# Altium PCB AirScout_PCBV1.1.PcbDoc (part 2 of 2)
Units mm, origin at the board's own origin, x right, y up, seen from the top; angles counter-clockwise.
Board outline 91.25 x 151 mm, 4 copper layers (Top Layer, Signal Layer 1, Signal Layer 2, Bottom Layer), stack 0.603 mm thick; 56 components, 39 nets, 237 pads, 463 vias.
Unrouted connection lines stored in the file: 26.
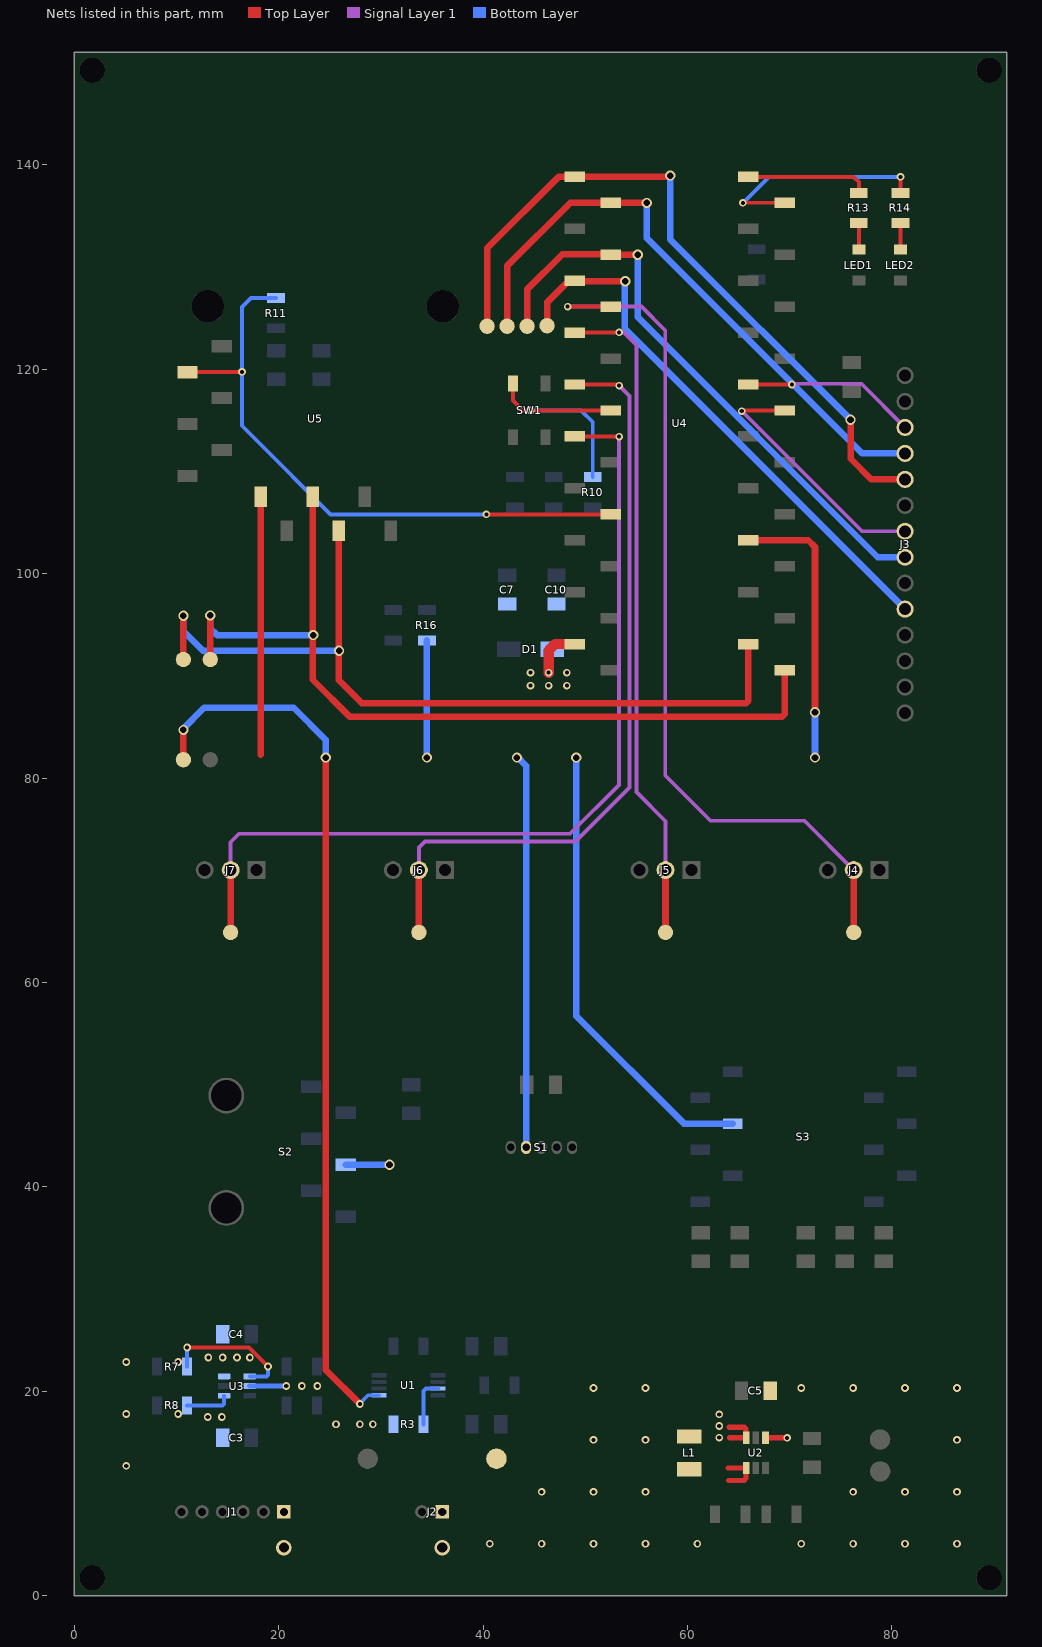
[diagram p4: the nets of this part, all layers, seen from the top]

## Via types
v1: diameter 0.75, hole 0.4, Signal Layer 1 to Bottom Layer, 166 vias
v2: diameter 0.75, hole 0.4, Top Layer to Signal Layer 2, 129 vias
v3: diameter 0.75, hole 0.4, Top Layer to Bottom Layer, 63 vias
v4: diameter 0.75, hole 0.4, Top Layer to Signal Layer 1, 39 vias
v5: diameter 0.75, hole 0.4, Signal Layer 2 to Bottom Layer, 34 vias
v6: diameter 1, hole 0.65, Top Layer to Bottom Layer, 23 vias
v7: diameter 1.5, hole 1, Top Layer to Bottom Layer, 7 vias
v8: diameter 1.5, hole 1, Top Layer to Bottom Layer, tented both sides, 1 vias
v9: diameter 1, hole 0.5, Top Layer to Bottom Layer, 1 vias

## Nets (pads, with @x,y where several pads share a name; then routed paths per layer and width w, separated by ;. In a path a pad name is that pad's centre, name@x,y a point inside that pad or via, vN(x,y) a via of type N, cw(c..) or ccw(c..) an arc to the next point about the centre after c; other vN are vias at no path point) (continued)
I2C/SDA: pad.M1@10.668,81.788 R16.2 S1.2 S2.4 S3.4 U1.5 U4.6 U5.12 | length 240
  Top Layer w0.65: pad.M1@10.668,81.788 v6(10.668,84.709) ; 18.248,82.305 U5.12@18.248,107.529 ; v6(24.59,81.994) 24.59,22.098 v3(27.94,18.748) ; U4.6@65.948,103.259 71.808,103.259 72.469,102.598 v6(72.469,86.439)
  Bottom Layer w0.381: v3@27.813,18.669 28.751,19.607 U1.5@29.807,19.607
  Bottom Layer w0.65: v6@10.541,84.709 12.7,86.868 21.463,86.868 24.59,83.741 v6(24.59,81.994) ; S2.4@26.543,42.164 v6(30.829,42.164) ; v6(34.496,81.994) R16.2@34.496,93.468 ; v6@43.3,82.1 44.2,81.2 S1.2@44.2,43.856 ; v6(49.101,81.994) 49.101,56.721 59.642,46.18 S3.4@64.435,46.18 ; v6@72.469,81.867 v6(72.469,81.994) v6(72.469,86.439)
  other v6: 43.3,81.994
LED: J3.8 U4.11 | length 25.1
  Top Layer w0.381: v4(65.3,115.9) 65.359,115.959 U4.11@69.504,115.959
  Signal Layer 1 w0.381: v4@65.312,115.888 77.06,104.14 J3.8@81.28,104.14
NetL1_2: L1.2 U2.1 | length 4.6
  Top Layer w0.5: 63.948,12.495 U2.1@65.725,12.495 65.725,11.478 65.514,11.267 63.99,11.267
NetLED1_1: LED1.1 R13.1 | length 2.6
  Top Layer w0.381: LED1.1@76.761,131.707 R13.1@76.761,134.291
NetLED2_1: LED2.1 R14.1 | length 2.6
  Top Layer w0.381: LED2.1@80.825,131.707 R14.1@80.825,134.291
NetR7_2: R7.2 U3.1 | length 13.2
  Top Layer w0.381: v3(11.037,24.277) 17.094,24.277 v3(18.955,22.416)
  Bottom Layer w0.381: R7.2@11.037,22.416 v3(11.037,24.277) ; U3.1@17.162,21.461 18.817,21.461 18.955,21.599 v3(18.955,22.416)
NetR8_2: R8.2 U3.4 | length 4.5
  Bottom Layer w0.381: R8.2@11.037,18.606 14.51,18.606 14.652,18.748 U3.4@14.652,19.561
NetR10_1: R10.1 SW1.2 U4.30 | length 23.6
  Top Layer w0.381: SW1.2@42.903,118.584 42.903,116.924 43.868,115.959 v3(44.63,115.959) U4.30@52.504,115.959
  Bottom Layer w0.381: v3(44.63,115.959) 49.583,115.959 50.726,114.816 R10.1@50.726,109.438
NetR13_2: R13.2 U4.20 | length 12.3
  Top Layer w0.381: U4.20@65.948,138.819 76.253,138.819 76.761,138.311 76.761,137.546 76.954,137.353 R13.2@77.211,137.353
NetR14_2: R14.2 U4.19 | length 22.2
  Top Layer w0.381: v3(65.405,136.271) 65.413,136.279 U4.19@69.504,136.279 ; R14.2@80.825,137.251 v3(80.825,138.819)
  Bottom Layer w0.381: v3@65.405,136.371 v3(65.405,136.271) 67.953,138.819 v3(80.825,138.819)
RESET: R11.1 U4.34 U5.2 | length 60.4
  Top Layer w0.381: U5.2@11.072,119.712 16.379,119.712 v3(16.408,119.741) ; v3(40.312,105.799) U4.34@52.504,105.799
  Bottom Layer w0.381: R11.1@19.738,126.964 17.281,126.964 16.408,126.091 16.408,114.467 17.455,113.419 25.075,105.799 v3(40.312,105.799)
RST: J3.12 U4.12 | length 17.1
  Top Layer w0.381: U4.12@65.948,118.499 v4@70.199,118.499
  Signal Layer 1 w0.381: v4(70.2,118.5) 70.27,118.57 77.01,118.57 J3.12@81.28,114.3
SPI/CSn: J3.11 pad.M1@42.342,124.206 U4.22 | length 59.6
  Top Layer w0.65: pad.M1@42.342,124.206 42.342,130.092 48.529,136.279 U4.22@52.504,136.279 55.999,136.279 v6(56.007,136.271)
  Bottom Layer w0.65: v6(56.007,136.271) 56.007,132.838 77.085,111.76 J3.11@81.28,111.76
SPI/MISO: J3.5 pad.M1@46.254,124.254 U4.25 | length 54.3
  Top Layer w0.65: pad.M1@46.254,124.254 46.254,126.518 48.21,128.474 48.763,128.474 U4.25@48.948,128.659 ; U4.25@48.956,128.651 49.017,128.59 53.89,128.59 v6(53.9,128.6)
  Bottom Layer w0.65: v6(53.9,128.6) 53.861,128.561 53.861,123.939 J3.5@81.28,96.52
SPI/MOSI: J3.10 pad.M1@40.386,124.206 U4.21 | length 69.7
  Top Layer w0.65: pad.M1@40.386,124.206 40.386,131.826 47.379,138.819 U4.21@48.948,138.819 52.184,138.819 52.192,138.811 57.919,138.811 57.98,138.872 58.227,138.872 v6(58.294,138.939) ; v6(75.946,115.062) 75.969,115.039 75.969,111.229 77.978,109.22 J3.10@81.28,109.22
  Bottom Layer w0.65: v6(58.294,138.939) 58.294,132.714 v6(75.946,115.062)
SPI/SCK: J3.7 pad.M1@44.298,124.206 U4.24 | length 57.9
  Top Layer w0.65: pad.M1@44.298,124.206 44.298,127.798 47.751,131.251 52.452,131.251 U4.24@52.504,131.199 55.11,131.199 v6(55.118,131.191)
  Bottom Layer w0.65: v6(55.118,131.191) 55.118,125.095 78.613,101.6 J3.7@81.28,101.6
TCH1: J4.2 pad.M1@76.253,64.897 U4.26 | length 86.7
  Top Layer w0.381: v4(48.268,126.119) U4.26@52.504,126.119
  Top Layer w0.65: pad.M1@76.253,64.897 J4.2@76.253,70.993
  Signal Layer 1 w0.381: v4(48.268,126.119) 55.491,126.119 57.818,123.792 57.818,80.231 62.23,75.819 71.427,75.819 J4.2@76.253,70.993
TCH2: J5.2 pad.M1@57.838,64.897 U4.27 | length 65.2
  Top Layer w0.381: U4.27@48.948,123.579 48.952,123.575 53.275,123.575 v4(53.3,123.6)
  Top Layer w0.65: pad.M1@57.838,64.897 J5.2@57.838,70.993
  Signal Layer 1 w0.381: v4(53.3,123.6) 53.761,123.6 54.991,122.37 54.991,78.613 57.838,75.766 J5.2@57.838,70.993
TCH3: J6.2 pad.M1@33.708,64.897 U4.29 | length 76.3
  Top Layer w0.381: U4.29@48.948,118.499 53.119,118.499 53.233,118.385 v4(53.3,118.385) v4@53.333,118.385
  Top Layer w0.65: pad.M1@33.708,64.897 J6.2@33.708,70.993
  Signal Layer 1 w0.381: J6.2@33.708,70.993 33.708,73.205 34.29,73.787 49.022,73.787 54.3,79.065 54.3,117.385 53.883,117.802 v4(53.3,118.385) ; v4@53.333,118.385 53.9,117.818
TCH4: J7.2 pad.M1@15.293,64.897 U4.31 | length 87.6
  Top Layer w0.381: U4.31@48.948,113.419 53.281,113.419 v4(53.3,113.4)
  Top Layer w0.65: pad.M1@15.293,64.897 J7.2@15.293,70.993
  Signal Layer 1 w0.381: J7.2@15.293,70.993 15.293,73.713 16.129,74.549 48.514,74.549 53.3,79.335 v4(53.3,113.4)
UART/RX: pad.M1@10.668,91.594 U4.2 U5.9 | length 83.1
  Top Layer w0.65: pad.M1@10.668,91.627 v6(10.668,95.885) ; U5.9@25.868,104.176 25.868,92.496 v6(25.908,92.456) 25.868,92.416 25.868,89.575 28.115,87.328 65.732,87.328 65.948,87.544 U4.2@65.948,93.099
  Bottom Layer w0.65: v6(10.668,95.885) 10.668,94.361 12.573,92.456 v6(25.908,92.456)
UART/TX: pad.M1@13.303,91.594 U4.1 U5.10 | length 85.9
  Top Layer w0.65: pad.M1@13.303,91.594 v6(13.303,95.912) ; U5.10@23.328,107.529 23.328,89.606 26.955,85.979 69.215,85.979 69.504,86.268 U4.1@69.504,90.559
  Bottom Layer w0.65: v6(13.303,95.912) 13.303,94.647 13.97,93.98 v6(23.368,93.98)
VBUS: C4.1 J1.1 U3.6
  other v2: 5.08,12.7 5.08,17.78 10.16,17.78 5.08,22.86 10.16,22.86
  other v5: 13.113,23.305 14.51,23.305 15.907,23.305 17.177,23.305
  other v7: 20.5,4.7
VCC: C3.1 C5.2 J2.1 L1.1 pad.M1@41.3,13.4 R3.2 U2.4 U2.6 U3.2 | length 9.9
  Top Layer w0.5: 64.039,16.474 65.553,16.474 65.725,16.302 U2.6@65.725,15.445 64.13,15.445 ; U2.4@67.625,15.445 69.744,15.445 v2(69.745,15.444)
  Bottom Layer w0.5: U3.2@17.162,20.511 v5(20.733,20.511)
  other v2: 40.64,5.08 45.72,5.08 50.8,5.08 55.88,5.08 60.96,5.08 71.12,5.08 76.2,5.08 81.28,5.08 86.36,5.08 45.72,10.16 50.8,10.16 55.88,10.16 76.2,10.16 81.28,10.16 86.36,10.16 50.8,15.24 55.88,15.24 86.36,15.24 63.101,15.458 63.101,16.601 25.606,16.772 63.101,17.744 50.8,20.32 55.88,20.32 71.12,20.32 76.2,20.32 81.28,20.32 86.36,20.32
  other v3: 27.94,16.772 29.21,16.772
  other v5: 13.053,17.483 14.43,17.478 22.257,20.511 23.781,20.511
  other v7: 36,4.7
VIN: R3.1 U1.3 | length 4.8
  Bottom Layer w0.4: R3.1@34.172,16.772 34.172,20.03 34.399,20.257 U1.3@35.577,20.257
VSYS: C7.1 C10.1 D1.K U4.39 | length 5
  Top Layer w1: v3(46.408,90.305) 46.408,92.488 47.019,93.099 U4.39@48.948,93.099
  other v3: 44.63,89.035 46.408,89.035 48.186,89.035 44.63,90.305 48.186,90.305
pads on no net: J1.2 J1.4 J3.1 J3.2 J3.3 J3.4 J3.6 S1.4 S2.5 S2.6 S2.MH1 S2.MH2 S3.2 S3.5 S3.7 S3.8 S3.9 S3.11 S3.12 SW1.3 SW1.4 U1.1 U1.8 U4.4 U4.5 U4.9 U4.14 U4.15 U4.17 U4.35 U4.37 U4.40 U5.3 U5.4 U5.6 U5.MH1 U5.MH3
copper on no net:
  other v7: 14.5,4.7 18.5,4.7

## Polygon pours and split planes (outlines as drawn)
GND on Signal Layer 1 "GND_L02_P154" (solid, remove dead copper, pour order 154): 39.804,148.5 88.25,148.5 88.25,56.721 39.804,56.721
GND on Signal Layer 1 "GND_L02_P019" (solid, pour order 19): 3,148.5 40.058,148.5 40.058,56.594 3,56.594
BAT_GND on Signal Layer 1 "BAT_GND_L02_P068" (solid, pour order 68): 40.566,27.313 40.566,21.598 32.438,21.598 32.438,27.313 24.844,27.313 24.844,2.5 45.9,2.5 45.9,14.74 45.9,27.313
BAT_GND on Signal Layer 1 "BAT_GND_L02_P135" (solid, pour order 135): 24.892,27.313 24.892,2.54 3,2.54 3,27.313
GND on Signal Layer 1 "GND_L02_P140" (solid, pour order 140): 34.597,21.542 32.464,21.542 32.464,27.511 40.592,27.511 40.592,21.542 37.899,21.542
GND on Signal Layer 1 "GND_L02_P062" (solid, pour order 62): 45.856,27.511 88.25,27.511 88.25,2.5 45.856,2.5
GND on Signal Layer 1 "GND_L02_P170" (solid, pour order 170): 88.25,56.868 88.25,27.384 3,27.384 3,56.732
VCC on Signal Layer 2 "VCC_L03_P181" (solid, pour order 181): 33.926,13.668 20.038,13.668 20.038,22.543 33.926,22.543
VBUS on Signal Layer 2 "VBUS_L03_P234" (solid, pour order 234): 3,27.94 19.829,27.94 19.829,14.74 25.036,14.74 25.036,2.54 3,2.54
5VCC on Signal Layer 2 "5VCC_L03_P065" (solid, pour order 65): 69.922,39.438 69.99,39.37 88.265,39.37 88.265,29.522 88.25,29.507 69.977,29.507
5VCC on Signal Layer 2 "5VCC_L03_P146" (solid, pour order 146): 48.257,22.098 88.265,22.098 88.265,29.543 48.263,29.543
VCC on Signal Layer 2 "VCC_L03_P137" (solid, pour order 137): 49.219,22.098 49.219,2.54 88.265,2.54 88.265,22.098
5VCC on Signal Layer 2 "5VCC_L03_P147" (solid, pour order 147): 43.64,74.12 43.64,36.401 37.544,36.401 37.544,74.12
VCC on Signal Layer 2 "VCC_L03_P152" (solid, pour order 152): 25.147,15.319 25.011,2.5 49.276,2.5 49.276,15.319
5VCC on Signal Layer 2 "5VCC_L03_P153" (solid, pour order 153): 20,27.313 20,43.894 37.544,43.894 37.544,36.147 37.459,36.062 36.5,36.062 36.5,27.315 36.502,27.313
VCC on Signal Layer 2 "VCC_L03_P155" (solid, pour order 155): 20.272,13.668 12.144,13.668 12.144,18.24 20.272,18.24
5VCC on Signal Layer 2 "5VCC_L03_P162" (solid, pour order 162): 49.022,15.375 31.64,15.375 31.64,29.543 49.022,29.543
5VCC on Signal Layer 2 "5VCC_L03_P220" (solid, pour order 220): 31.676,22.543 31.676,27.313 20.066,27.313 20.066,22.543
5VCC on Signal Layer 2 "5VCC_L03_P222" (solid, pour order 222): 37.518,114.435 51.742,114.435 51.742,74.12 37.518,74.12
3V3 on Signal Layer 2 "3V3_L03_P227" (solid, pour order 227): 3,148.5 88.25,148.5 88.25,28 3,28
VCC on Top Layer "NONET_L-01_P-001" (solid, pour order 235): 19.829,28 45.625,28 88.3,28 88.3,2.5 25.076,2.5 25.036,2.54 25.036,14.72 19.849,14.72 19.829,14.74
GND on Top Layer "NONET_L-01_P-001" (solid, pour order 7): 74.168,118.872 74.168,124 84.074,124 84.074,118.872
VBUS on Top Layer "VBUS_L01_P077" (solid, pour order 77): 3,27.94 19.829,27.94 19.829,14.74 25.036,14.74 25.036,2.54 3,2.54
GND on Top Layer "GND_L01_P232" (solid, pour order 232): 53.8,55.832 46.114,55.832 46.114,45.926 48.044,45.926 48.044,39.9 50.498,39.9 53.8,39.9
3V3 on Top Layer "3V3_L01_P236" (solid, pour order 236): 88.25,129.619 3,129.619 3,28 88.25,28
I2C/SDA on Top Layer "I2C/SDA_L01_P074" (solid, pour order 74): 24.257,43.281 31.9,43.281 31.9,40.894 24.257,40.894
I2C/SCL on Top Layer "I2C/SCL_L01_P076" (solid, pour order 76): 16.7,45.821 22.606,45.821 22.606,43.434 16.7,43.434
GND on Top Layer "GND_L01_P108" (solid, pour order 108): 68.435,13.528 68.435,10.916 73.896,10.916 73.896,13.528
5VCC on Top Layer "5VCC_L01_P111" (solid, pour order 111): 64.752,16.347 64.752,18.76 71.102,18.76 71.102,16.347
GND on Top Layer "GND_L01_P112" (solid, pour order 112): 65.133,6.568 61.45,6.568 61.45,10.759 65.133,10.759
NetL1_2 on Top Layer "NETL1_2_L01_P116" (solid, pour order 116): 57.894,13.299 64.625,13.299 64.625,11.013 57.894,11.013
FB on Top Layer "FB_L01_P117" (solid, pour order 117): 65.133,10.124 65.133,6.822 68.181,6.822 68.181,10.124
GND on Top Layer "GND_L01_P208" (solid, pour order 208): 66.276,13.426 66.276,14.315 71.021,14.315 71.021,13.426
5VCC on Top Layer "5VCC_L01_P209" (solid, pour order 209): 68.435,9.089 68.435,10.759 71.61,10.759 71.61,9.089
5VCC on Top Layer "5VCC_L01_P228" (solid, pour order 228): 71.102,14.669 71.102,18.76 75.166,18.76 75.166,14.669
GND on Top Layer "GND_L01_P231" (solid, pour order 231): 57.894,18.76 57.894,22.189 65.768,22.189 65.768,18.76
GND on Top Layer "GND_L01_P119" (solid, pour order 119): 70,33.73 70,28.4 85.25,28.4 85.25,33.73
I2C/SDA on Top Layer "I2C/SDA_L01_P102" (solid, pour order 102): 17.907,82.636 17.907,84.484 18.843,84.484 20.904,82.636
GND on Top Layer "GND_L01_P120" (solid, pour order 120): 26.998,111.598 26.998,108.804 29.792,108.804 29.792,106.01 33.094,106.01 33.094,111.598
GND on Top Layer "GND_L01_P126" (solid, pour order 126): 66.294,94.115 61.648,94.115 61.648,106.426 66.294,106.426
GND on Top Layer "GND_L01_P080" (solid, pour order 80): 61.849,94.107 51.996,94.107 51.996,99.822 61.849,99.822
GND on Top Layer "GND_L01_P142" (solid, pour order 142): 53.721,120.023 64.643,120.023 64.643,134.747 53.721,134.747
GND on Top Layer "GND_L01_P143" (solid, pour order 143): 73.713,129.619 83.873,129.619 83.873,126.119 73.713,126.119
GND on Top Layer "GND_L01_P145" (solid, pour order 145): 66.929,106.426 51.996,106.426 51.996,110.109 66.929,110.109
VSYS on Top Layer "VSYS_L01_P148" (solid, pour order 148): 49.202,88.019 43.41,88.019 43.41,91.562 43.423,91.575 49.202,91.575
I2C/SCL on Top Layer "I2C/SCL_L01_P150" (solid, pour order 150): 74.549,84.463 74.549,82.939 20.447,82.939 20.447,84.463
I2C/SDA on Top Layer "I2C/SDA_L01_P151" (solid, pour order 151): 74.549,82.685 74.549,81.161 17.907,81.161 17.907,82.685
GND on Top Layer "GND_L01_P198" (solid, pour order 198): 39.804,115.959 41.836,115.959 41.836,112.149 39.804,112.149
5VCC on Top Layer "5VCC_L01_P199" (solid, pour order 199): 70,34.5 70,39.25 85.25,39.25 85.25,34.5
5VCC on Top Layer "5VCC_L01_P201" (solid, pour order 201): 37.544,55.832 45.23,55.832 45.23,45.926 43.3,45.926 43.3,39.9 40.846,39.9 37.544,39.9
GND on Top Layer "GND_L01_P203" (solid, pour order 203): 55.832,28.4 55.832,33.734 67.262,33.734 67.262,28.4
I2C/SCL on Top Layer "I2C/SCL_L01_P204" (solid, pour order 204): 20.447,84.372 20.447,86.22 21.273,86.22 23.335,84.372
I2C/SCL on Top Layer "I2C/SCL_L01_P205" (solid, pour order 205): 74.549,84.463 74.549,86.312 73.867,86.312 71.806,84.463
5VCC on Bottom Layer "5VCC_L04_P014" (solid, pour order 14): 69.993,34.5 69.993,39.827 85.243,39.827 85.243,34.5
3V3 on Bottom Layer "3V3_L04_P020" (solid, pour order 20): 26.289,52.657 26.289,48.593 34.115,48.593 34.115,52.657
5VCC on Bottom Layer "5VCC_L04_P028" (solid, pour order 28): 57.824,14.669 57.824,26.77 75.166,26.77 75.166,14.669
5VCC on Bottom Layer "5VCC_L04_P193" (solid, pour order 193): 68.435,9.089 68.435,14.696 71.61,14.696 71.61,14.569 71.61,9.089
BAT_GND on Bottom Layer "BAT_GND_L04_P223" (solid, remove dead copper, pour order 223): 3,29.797 45.593,29.797 45.593,2.5 3,2.5
VCC on Bottom Layer "VCC_L04_P031" (solid, pour order 31): 15.239,18.494 12.161,18.494 12.161,13.887 15.209,13.887
5VCC on Bottom Layer "5VCC_L04_P032" (solid, pour order 32): 41.074,21.629 41.074,17.847 45.593,17.847 45.593,27.313 41.074,27.313
VSYS on Bottom Layer "VSYS_L04_P033" (solid, pour order 33): 51.615,97.671 37.772,97.671 37.772,93.607 51.615,93.607
VCC on Bottom Layer "VCC_L04_P038" (solid, pour order 38): 19.717,21.527 19.717,19.495 24.924,19.495 24.924,21.527
VBUS on Bottom Layer "VBUS_L04_P084" (solid, pour order 84): 11.589,21.146 11.589,23.813 15.399,23.813 15.399,21.146
GND on Bottom Layer "GND_L04_P005" (solid, pour order 5): 34.597,21.928 33.274,21.928 33.274,27.313 40.312,27.313 40.312,21.928 37.899,21.928
VBUS on Bottom Layer "VBUS_L04_P097" (solid, pour order 97): 15.145,21.908 18.468,21.908 18.468,24.448 15.145,24.448
VBUS on Bottom Layer "VBUS_L04_P104" (solid, pour order 104): 11.589,23.813 11.589,27.313 15.272,27.313 15.272,23.813
3V3 on Bottom Layer "3V3_L04_P106" (solid, pour order 106): 17.198,125.865 27.358,125.865 27.358,121.039 17.198,121.039
3V3EN on Bottom Layer "3V3EN_L04_P107" (solid, pour order 107): 49.456,105.926 48.059,105.926 48.059,108.974 42.09,108.974 42.09,110.879 49.456,110.879 49.456,107.069
5VCC on Bottom Layer "5VCC_L04_P133" (solid, pour order 133): 51.615,105.672 45.9,105.672 45.9,103.767 51.615,103.767
5VCC on Bottom Layer "5VCC_L04_P134" (solid, pour order 134): 43.614,88.019 37.772,88.019 37.772,91.829 43.614,91.829
5VCC on Bottom Layer "5VCC_L04_P141" (solid, pour order 141): 43.868,91.829 43.868,93.607 37.772,93.607 37.772,91.829
VSYS on Bottom Layer "VSYS_L04_P156" (solid, pour order 156): 45.646,88.019 45.646,94.369 51.615,94.369 51.615,88.019
VSYS on Bottom Layer "VSYS_L04_P161" (solid, pour order 161): 45.646,91.575 43.614,91.575 43.614,88.019 45.646,88.019
"5VCC_FUEL G." on Bottom Layer "5VCC_FUEL_G._L04_P176" (solid, pour order 176): 34.724,14.415 34.724,19.058 37.264,19.058 37.264,22.36 40.566,22.36 40.566,14.415
VCC on Bottom Layer "VCC_L04_P179" (solid, pour order 179): 32.184,14.74 32.184,19.241 27.068,19.241 27.068,14.74 28.628,14.74
3V3 on Bottom Layer "3V3_L04_P183" (solid, pour order 183): 55.832,39.83 55.832,34.496 67.262,34.496 67.262,39.83
3V3 on Bottom Layer "3V3_L04_P186" (solid, pour order 186): 65.992,132.794 65.992,130.508 73.612,130.508 73.612,132.794
3V3 on Bottom Layer "3V3_L04_P188" (solid, pour order 188): 26.876,95.71 37.036,95.71 37.036,99.266 26.876,99.266
I2C/SCL on Bottom Layer "I2C/SCL_L04_P190" (solid, pour order 190): 44.973,84.44 46.942,84.44 46.942,50.244 44.973,50.244
GND on Bottom Layer "GND_L04_P192" (solid, pour order 192): 88.25,129.794 3,129.794 3,29.797 88.25,29.797
GND on Bottom Layer "GND_L04_P226" (solid, pour order 226): 45.672,29.797 88.25,29.797 88.25,2.5 45.624,2.5

## Other copper
Top Layer:
  pour cut-out: 34.95,6.5 32.05,6.5 32.05,2.5 34.95,2.5
  pour cut-out: 8.55,6.5 18.5,6.5 18.5,2.5 8.55,2.5
  pour cut-out: 8.55,11 18.5,11 18.5,6.5 8.55,6.5
  pour cut-out: 83.82,83.885 78.74,83.885 78.74,114.3 83.82,114.3
  pour cut-out: 15.293,73.533 20.378,73.533 20.378,68.453 19.103,68.453 19.103,66.933 15.293,66.933
  pour cut-out: 33.708,73.533 38.793,73.533 38.793,68.453 37.518,68.453 37.518,66.933 33.708,66.933
  pour cut-out: 57.838,73.533 62.923,73.533 62.923,68.453 61.648,68.453 61.648,66.933 57.838,66.933
  pour cut-out: 43.359,45.301 43.36,45.3 48,45.3 48,41.5 43.359,41.5
  pour cut-out: 76.253,73.533 81.338,73.533 81.338,68.453 80.063,68.453 80.063,66.933 76.253,66.933
  pour cut-out: 66.456,140.089 68.996,140.089 68.996,89.289 66.456,89.289
  pour cut-out: 65.133,6.905 68.38,6.905 68.38,8.885 69.97,8.885 69.97,7.25 69.97,6.905 70.45,6.905 71.34,6.905 71.34,6.424 65.133,6.397
  pour cut-out: 58.967,14.942 61.38,14.942 61.38,12.91 58.967,12.91
  pour cut-out: 17.001,107.114 29.64,107.114 29.648,107.106 29.648,105.865 31.242,105.865 31.242,104.345 17.001,104.345
  pour cut-out: 11.351,123.649 14.12,123.649 14.12,108.155 11.351,108.155
  pour cut-out: 49.456,140.089 51.996,140.089 51.996,89.289 49.456,89.289
Signal Layer 1:
  pour cut-out: 35.05,6.5 37.95,6.5 37.95,2.5 35.05,2.5
  pour cut-out: 12.5,6.5 22.45,6.5 22.45,2.5 12.5,2.5
  pour cut-out: 12.5,11 22.45,11 22.45,6.5 12.5,6.5
  pour cut-out: 83.82,83.885 78.74,83.885 78.74,116.84 83.82,116.84
  pour cut-out: 15.293,73.533 15.293,66.933 11.483,66.933 11.483,68.453 10.208,68.453 10.208,73.533
  pour cut-out: 15.293,73.533 15.293,66.933 11.483,66.933 11.483,68.453 10.208,68.453 10.208,73.533
  pour cut-out: 33.708,73.533 33.708,66.933 29.898,66.933 29.898,68.453 28.623,68.453 28.623,73.533
  pour cut-out: 33.708,73.533 33.708,66.933 29.898,66.933 29.898,68.453 28.623,68.453 28.623,73.533
  pour cut-out: 57.838,73.533 57.838,66.933 54.028,66.933 54.028,68.453 52.753,68.453 52.753,73.533
  pour cut-out: 57.838,73.533 57.838,66.933 54.028,66.933 54.028,68.453 52.753,68.453 52.753,73.533
  pour cut-out: 76.253,73.533 76.253,66.933 72.443,66.933 72.443,68.453 71.168,68.453 71.168,73.533
  pour cut-out: 76.253,73.533 76.253,66.933 72.443,66.933 72.443,68.453 71.168,68.453 71.168,73.533
  pour cut-out: 47.244,45.299 47.244,41.529 41.077,41.529 41.077,45.288
  pour cut-out: 54.246,71.329 54.565,71.329 54.483,71.247 54.483,70.866 53.975,70.866 53.848,70.993
Signal Layer 2:
  pour cut-out: 34.95,6.5 32.05,6.5 32.05,2.5 34.95,2.5
  pour cut-out: 18.5,6.5 8.55,6.5 8.55,2.5 18.5,2.5
  pour cut-out: 18.5,8.2 18.5,11 8.55,11 8.55,6.5 18.5,6.5
  pour cut-out: 78.74,121.855 83.82,121.855 83.82,119.38 78.74,119.38
  pour cut-out: 83.82,83.885 78.74,83.885 78.74,114.3 83.82,114.3
  pour cut-out: 15.293,73.533 20.378,73.533 20.378,68.453 19.103,68.453 19.103,66.933 15.293,66.933
  pour cut-out: 33.708,73.533 38.793,73.533 38.793,68.453 37.518,68.453 37.518,66.933 33.708,66.933
  pour cut-out: 57.838,73.533 62.923,73.533 62.923,68.453 61.648,68.453 61.648,66.933 57.838,66.933
  pour cut-out: 76.253,73.533 81.338,73.533 81.338,68.453 80.063,68.453 80.063,66.933 76.253,66.933
  pour cut-out: 43.359,45.301 43.359,41.5 50.294,41.5 50.323,41.529 50.323,45.288
Bottom Layer:
  pour cut-out: 12.5,4.7 12.5,2.413 22.45,2.413 22.45,6.5 12.5,6.5
  pour cut-out: 12.5,11 22.45,11 22.45,6.5 12.5,6.5
  pour cut-out: 35.05,6.5 37.95,6.5 37.95,2.5 35.05,2.5
  pour cut-out: 83.82,83.885 78.74,83.885 78.74,116.84 83.82,116.84
  pour cut-out: 15.293,73.533 15.293,66.933 11.483,66.933 11.483,68.453 10.208,68.453 10.208,73.533
  pour cut-out: 33.708,73.533 33.708,66.933 29.898,66.933 29.898,68.453 28.623,68.453 28.623,73.533
  pour cut-out: 57.838,73.533 57.838,66.933 54.028,66.933 54.028,68.453 52.753,68.453 52.753,73.533
  pour cut-out: 76.253,73.533 76.253,66.933 72.443,66.933 72.443,68.453 71.168,68.453 71.168,73.533
  pour cut-out: 48,45.3 48,41.558 47.971,41.529 41.077,41.529 41.077,45.288
  pour cut-out: 78.563,52.53 81.133,52.53 81.151,52.512 81.151,39.449 78.544,39.449 78.533,39.46
  pour cut-out: 23.622,51.054 26.289,51.054 26.289,35.814 23.622,35.814
  pour cut-out: 40.912,21.432 42.252,21.432 42.252,19.732 42.246,19.738 40.918,19.738 40.912,19.732
  pour cut-out: 32.022,17.622 33.362,17.622 33.362,15.922 32.022,15.922
  pour cut-out: 24.422,19.495 24.437,19.51 25.733,19.51 25.733,18.186 25.66,18.113 24.463,18.113
  pour cut-out: 30.492,22.132 34.892,22.132 34.892,19.032 30.492,19.032
  pour cut-out: 32.022,25.242 33.362,25.242 33.362,23.542 32.022,23.542
  pour cut-out: 21.587,19.456 22.927,19.456 22.927,17.756 21.587,17.756
  pour cut-out: 21.587,23.266 22.927,23.266 22.927,21.566 21.587,21.566
  pour cut-out: 8.887,19.456 10.227,19.456 10.227,17.756 8.887,17.756
  pour cut-out: 8.887,23.266 10.227,23.266 10.227,21.566 8.887,21.566
  pour cut-out: 12.525,20.907 13.541,20.907 13.541,19.002 12.525,19.002
  pour cut-out: 14.938,22.071 19.637,22.071 19.637,18.951 14.938,18.951
  pour cut-out: 22.558,83.772 24.59,83.772 24.59,83.645 24.59,79.835 22.939,79.835 22.558,80.216
  pour cut-out: 61.563,52.53 64.103,52.53 64.103,40.09 64.109,40.084 61.547,40.084
  pour cut-out: 60.1,45.672 62.309,45.672 62.309,44.113 60.1,44.113
  pour cut-out: 47.091,82.567 48.399,82.567 48.399,81.805 47.091,81.805
  pour cut-out: 43.602,81.994 44.91,81.994 44.91,81.232 43.602,81.232

## Silkscreen, mask and mechanical layers (free items; w line width, h text height)
Top Overlay:
  drawing of 603 lines, arcs and shapes, not listed
  text "5BHELS, 25/26" at 74.754,146.087 h1
  text "AirScout V1.1" at 4.254,145.754 h1.95
  text "CNS" at 4.254,142.754 h1.52
  text "Raspberry PicoW" at 49.53,141.176 h1
  text "GNSS - Module" at 18.288,130.937 h1
  text "SPI:" at 38.886,127.305 h1
  text "CSN" at 41.455,125.313 h1
  text "MISO" at 45.162,125.313 h1
  text "MOSI" at 39.305,122.567 h1
  text "SCK" at 43.371,122.519 h1
  text "#2.54mm" at 85.104,118.429 h0.5 r90
  text "Display" at 77.645,99.704 h1 r90
  text "UART:" at 5.723,96.774 h1
  text "PicoW:" at 6.318,89.828 h1
  text "RX" at 10.08,89.816 h1
  text "TX" at 12.795,89.816 h1
  text "1" at 70.129,87.848 h0.75
  text "I2C:" at 6.307,85.979 h1
  text "1" at 82.754,85.854 h0.75
  text "SDA" at 9.741,79.895 h1
  text "SCL" at 12.319,79.895 h1
  text "BI" at 4.254,76.254 h1.52
  text "TH4" at 10.414,74.041 h1
  text "TH3" at 28.829,74.041 h1
  text "TH2" at 52.959,74.041 h1
  text "TH1" at 71.172,74.037 h1
  text "1" at 55.245,68.58 h0.75
  text "1" at 12.573,68.453 h0.75
  text "1" at 30.988,68.453 h0.75
  text "1" at 73.533,68.072 h0.75
  text "#2.54mm" at 15.485,67.3 h0.5
  text "#2.54mm" at 33.9,67.3 h0.5
  text "#2.54mm" at 58.03,67.3 h0.5
  text "#2.54mm" at 76.445,67.3 h0.5
  text "TH4" at 14.478,63.119 h1
  text "TH3" at 32.893,63.131 h1
  text "TH2" at 57.023,63.119 h1
  text "TH1" at 75.438,63.119 h1
  text "SI" at 4.254,57.754 h1.52
  text "#1.5mm" at 46,41.8 h0.75
  text "1" at 42.454,40.354 h0.75
  text "SPS30 Module" at 39.454,38.054 h1
  text "PBMS" at 4.254,25.254 h1.52
  text "5VCC" at 80.391,14.956 h1
  text "BAT_GND" at 26.786,14.813 h0.85
  text "VCC" at 40.379,14.743 h1
  text "GND" at 80.391,11.837 h1
  text "USB-C" at 13.154,11.754 h1
  text "BAT" at 33.667,11.654 h1
  text "#2mm" at 32.3,10.2 h0.5
  text "JST:" at 28.254,10.154 h1
  text "#2mm" at 8.9,9.9 h0.75
  text "JST:" at 4.854,9.754 h1
  text "1" at 20.354,9.654 h0.75
  text "1" at 35.854,9.454 h0.75
  text "RAW:" at 4.854,5.054 h1
  text "RAW:" at 28.154,5.054 h1
  text "5VCC" at 64.842,3.804 h1
Bottom Overlay:
  lines w0.254: 3.5,3 87.55,3 87.55,27.5 3.5,27.5 3.5,3 ; 3.5,28 87.5,28 87.5,60 3.5,60 3.5,28 ; 3.5,60.5 87.5,60.5 87.5,78.5 3.5,78.5 3.5,60.5 ; 3.5,79.254 ccw(c3.754,79.254) 3.754,79 87.246,79 ccw(c87.246,79.254) 87.5,79.254 87.5,144.746 ccw(c87.246,144.746) 87.246,145 3.754,145 ccw(c3.754,144.746) 3.5,144.746 3.5,79.254
  text "PASCO2 Module" at 80.746,53.504 h1
  text "BME680 Module" at 26.162,52.07 h1
  text "1" at 28.746,48.004 h0.75
  text "1" at 60.496,39.754 h0.75
  text "Designed by Rene Gaupmann" at 87,3.688 h1
Mechanical 13:
  lines w0.2: 59.226,102.362 59.226,140.319
Mechanical 15:
  lines w0.254: 91.25,150.988 91.25,0 38.714,0 38.714,2.032 31.242,2.032 31.242,0 22.4,0 22.4,1.9 8.6,1.9 8.6,0 0,0 0,151 91.25,151 ; 36.1,11 36.1,11 ; 36.5,29.813 36.5,32.937 36.5,36.062 45.625,36.062 54.75,36.062 54.75,32.937 54.75,29.813 45.625,29.813 36.5,29.813

## Text inside footprints (layer, text, board x,y; h text height)
U5: Mechanical 3 "GPS-Module" at 24.802,128.498 h1.52 r270